# KiCad board Sofle_Pico_Panel.kicad_pcb
date: 2024-01-08; rev: v3.5.4
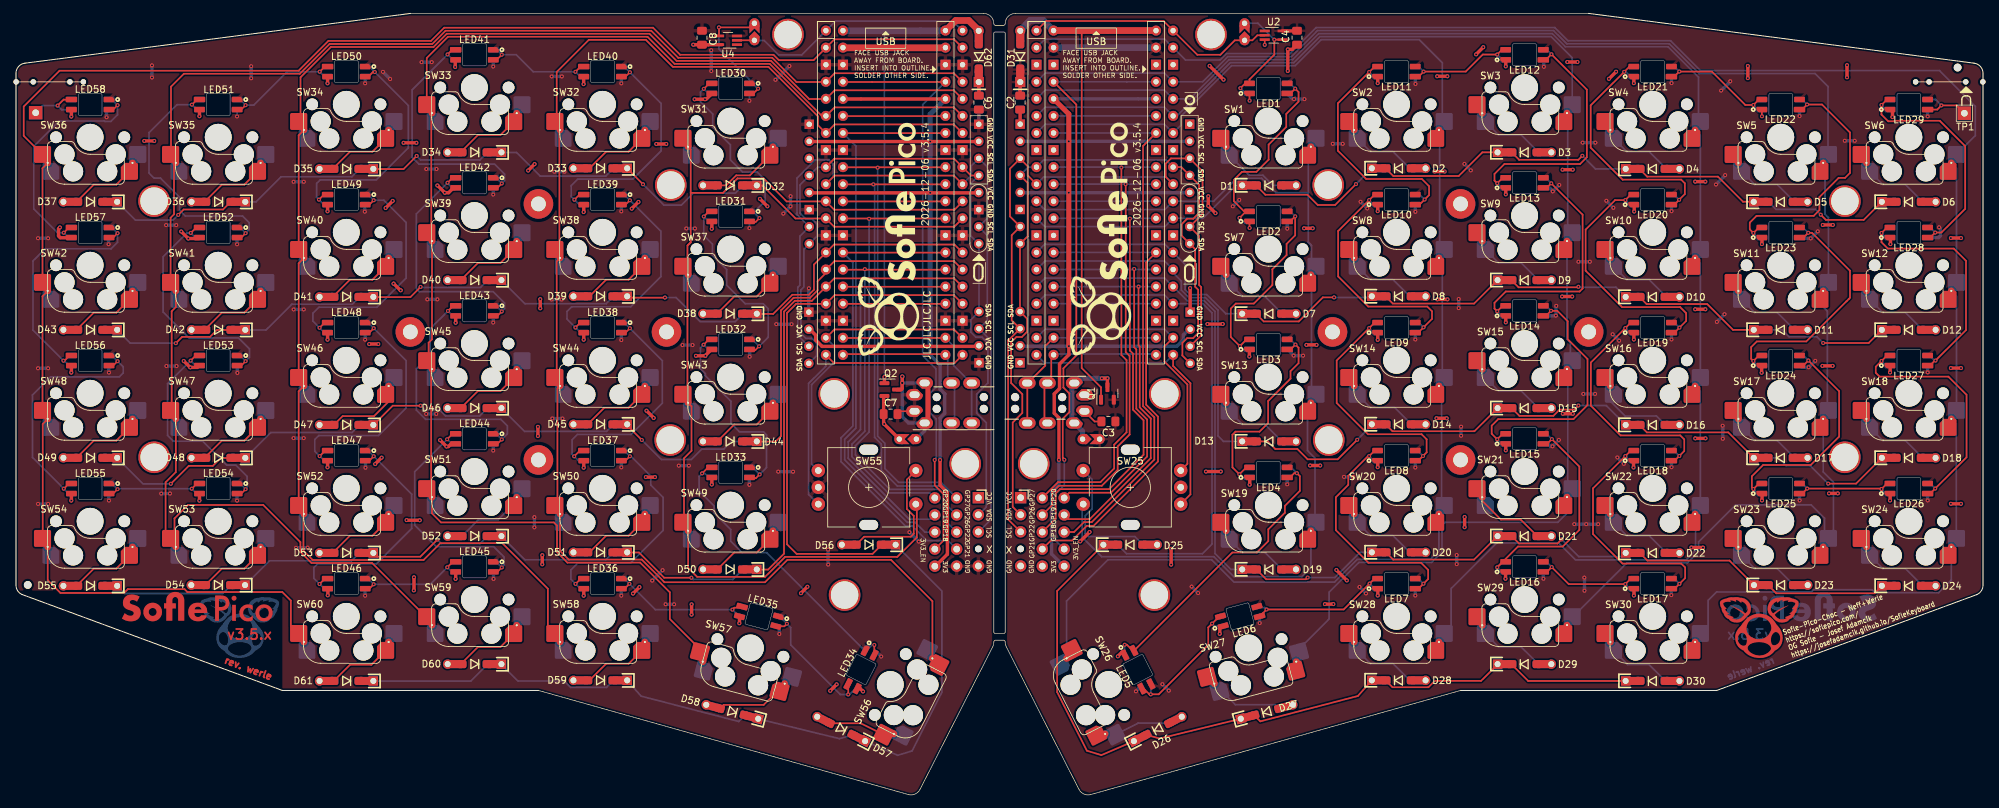
[diagram p0: board, top side]
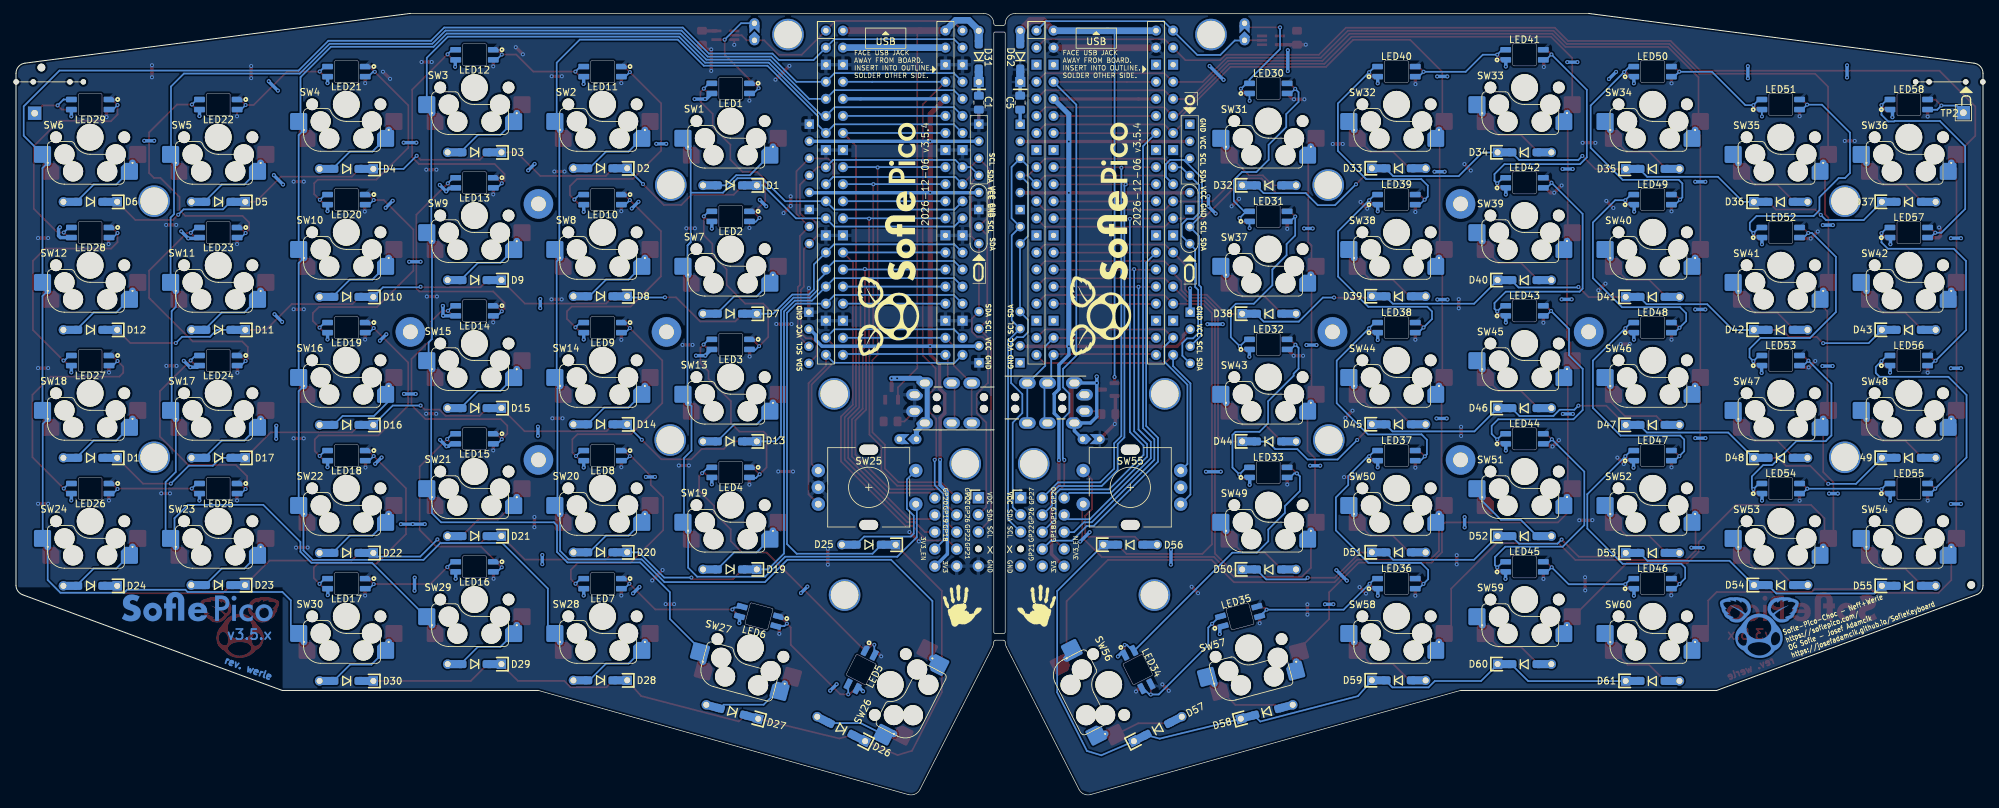
[diagram p1: board, bottom side, seen from below]

Outline 292.54 x 116.25 mm; copper layers: Top, Bottom. Coordinates in mm from the lower left corner of the outline.
Outline path: 145.42,113.35 145.42,24.12 145.57,23.97 146.97,23.97 147.12,24.12 147.12,113.35 147,113.47 145.55,113.47 closed ; 143.92,116.25 58.65,116.25 1.34,108.85 arc(0.38,108.35) 0,107.35 0,31.15 arc(0.25,30.32) 0.91,29.77 39.6,15.5 77.7,15.5 132.71,0 arc(133.72,0.07) 134.45,0.77 145.26,21.98 arc(145.38,22.33) 145.42,22.69 ; 143.92,116.25 arc(144.98,115.81) 145.42,114.75 arc(145.5,114.55) 145.7,114.47 146.85,114.47 arc(147.04,114.55) 147.12,114.75 arc(147.56,115.81) 148.62,116.25 233.89,116.25 291.21,108.85 arc(292.16,108.35) 292.54,107.35 292.54,31.15 arc(292.3,30.32) 291.64,29.77 252.94,15.5 214.84,15.5 159.83,0 arc(158.83,0.07) 158.1,0.77 147.29,21.98 arc(147.16,22.33) 147.12,22.69 ; 145.42,22.7 arc(145.5,22.89) 145.7,22.97 146.85,22.97 arc(147.04,22.89) 147.12,22.7
Stack: Top 0.035mm / dielectric 1.51mm FR4 er 4.5 / Bottom 0.035mm

## Placement (name value [footprint] x y rotation side)
C1  1uF  [C_0805_2012Metric_Pad1.18x1.45mm_HandSolder]  149.34 102.97 270 bottom
C2  0.1uF  [C_0805_2012Metric_Pad1.18x1.45mm_HandSolder]  149.34 102.98 270 top
C3  0.1uF  [C_0805_2012Metric_Pad1.18x1.45mm_HandSolder]  162.47 55.52 180 top
C4  0.1uF  [C_0805_2012Metric_Pad1.18x1.45mm_HandSolder]  190.52 112.63 270 top
C5  1uF  [C_0805_2012Metric_Pad1.18x1.45mm_HandSolder]  143.2 102.97 270 bottom
C6  0.1uF  [C_0805_2012Metric_Pad1.18x1.45mm_HandSolder]  143.2 102.98 270 top
C7  0.1uF  [C_0805_2012Metric_Pad1.18x1.45mm_HandSolder]  130.07 56.62 0 top
C8  0.1uF  [C_0805_2012Metric_Pad1.18x1.45mm_HandSolder]  102.02 112.63 90 top
D1  1N4841W  [D_SOD-123_DO-35_Hybrid_DoubleSided_V2]  186.37 90.66 0 top
D2  1N4841W  [D_SOD-123_DO-35_Hybrid_DoubleSided_V2]  205.64 93.2 0 top
D3  1N4841W  [D_SOD-123_DO-35_Hybrid_DoubleSided_V2]  224.35 95.58 0 top
D4  1N4841W  [D_SOD-123_DO-35_Hybrid_DoubleSided_V2]  243.4 93.11 0 top
D5  1N4841W  [D_SOD-123_DO-35_Hybrid_DoubleSided_V2]  262.45 88.21 0 top
D6  1N4841W  [D_SOD-123_DO-35_Hybrid_DoubleSided_V2]  281.5 88.21 0 top
D7  1N4841W  [D_SOD-123_DO-35_Hybrid_DoubleSided_V2]  186.37 71.56 0 top
D8  1N4841W  [D_SOD-123_DO-35_Hybrid_DoubleSided_V2]  205.64 74.15 0 top
D9  1N4841W  [D_SOD-123_DO-35_Hybrid_DoubleSided_V2]  224.35 76.56 0 top
D10  1N4841W  [D_SOD-123_DO-35_Hybrid_DoubleSided_V2]  243.4 74.06 0 top
D11  1N4841W  [D_SOD-123_DO-35_Hybrid_DoubleSided_V2]  262.45 69.16 0 top
D12  1N4841W  [D_SOD-123_DO-35_Hybrid_DoubleSided_V2]  281.5 69.16 0 top
D13  1N4841W  [D_SOD-123_DO-35_Hybrid_DoubleSided_V2]  186.37 52.56 0 top
D14  1N4841W  [D_SOD-123_DO-35_Hybrid_DoubleSided_V2]  205.64 55.1 0 top
D15  1N4841W  [D_SOD-123_DO-35_Hybrid_DoubleSided_V2]  224.35 57.51 0 top
D16  1N4841W  [D_SOD-123_DO-35_Hybrid_DoubleSided_V2]  243.4 55.01 0 top
D17  1N4841W  [D_SOD-123_DO-35_Hybrid_DoubleSided_V2]  262.45 50.11 0 top
D18  1N4841W  [D_SOD-123_DO-35_Hybrid_DoubleSided_V2]  281.5 50.11 0 top
D19  1N4841W  [D_SOD-123_DO-35_Hybrid_DoubleSided_V2]  186.37 33.51 0 top
D20  1N4841W  [D_SOD-123_DO-35_Hybrid_DoubleSided_V2]  205.64 36.05 0 top
D21  1N4841W  [D_SOD-123_DO-35_Hybrid_DoubleSided_V2]  224.35 38.46 0 top
D22  1N4841W  [D_SOD-123_DO-35_Hybrid_DoubleSided_V2]  243.4 35.96 0 top
D23  1N4841W  [D_SOD-123_DO-35_Hybrid_DoubleSided_V2]  262.48 31.18 0 top
D24  1N4841W  [D_SOD-123_DO-35_Hybrid_DoubleSided_V2]  281.5 31.06 0 top
D25  1N4841W  [D_SOD-123_DO-35_Hybrid_DoubleSided_V2]  165.72 37.18 0 top
D26  1N4841W  [D_SOD-123_DO-35_Hybrid_DoubleSided_V2]  169.82 9.77 27 top
D27  1N4841W  [D_SOD-123_DO-35_Hybrid_DoubleSided_V2]  186.02 12.32 15 top
D28  1N4841W  [D_SOD-123_DO-35_Hybrid_DoubleSided_V2]  205.64 17 0 top
D29  1N4841W  [D_SOD-123_DO-35_Hybrid_DoubleSided_V2]  224.35 19.41 0 top
D30  1N4841W  [D_SOD-123_DO-35_Hybrid_DoubleSided_V2]  243.4 16.91 0 top
D31  MBR120VLSF  [D_SOD-123_DO-41_7.62mm_Hybrid_DoubleSided]  149.36 109.85 90 top
D32  1N4841W  [D_SOD-123_DO-35_Hybrid_DoubleSided_V2]  106.17 90.66 180 top
D33  1N4841W  [D_SOD-123_DO-35_Hybrid_DoubleSided_V2]  86.9 93.2 180 top
D34  1N4841W  [D_SOD-123_DO-35_Hybrid_DoubleSided_V2]  68.2 95.58 180 top
D35  1N4841W  [D_SOD-123_DO-35_Hybrid_DoubleSided_V2]  49.15 93.11 180 top
D36  1N4841W  [D_SOD-123_DO-35_Hybrid_DoubleSided_V2]  30.1 88.21 180 top
D37  1N4841W  [D_SOD-123_DO-35_Hybrid_DoubleSided_V2]  11.05 88.21 180 top
D38  1N4841W  [D_SOD-123_DO-35_Hybrid_DoubleSided_V2]  106.17 71.56 180 top
D39  1N4841W  [D_SOD-123_DO-35_Hybrid_DoubleSided_V2]  86.9 74.15 180 top
D40  1N4841W  [D_SOD-123_DO-35_Hybrid_DoubleSided_V2]  68.2 76.56 180 top
D41  1N4841W  [D_SOD-123_DO-35_Hybrid_DoubleSided_V2]  49.15 74.06 180 top
D42  1N4841W  [D_SOD-123_DO-35_Hybrid_DoubleSided_V2]  30.1 69.16 180 top
D43  1N4841W  [D_SOD-123_DO-35_Hybrid_DoubleSided_V2]  11.05 69.16 180 top
D44  1N4841W  [D_SOD-123_DO-35_Hybrid_DoubleSided_V2]  106.17 52.56 180 top
D45  1N4841W  [D_SOD-123_DO-35_Hybrid_DoubleSided_V2]  86.9 55.1 180 top
D46  1N4841W  [D_SOD-123_DO-35_Hybrid_DoubleSided_V2]  68.2 57.51 180 top
D47  1N4841W  [D_SOD-123_DO-35_Hybrid_DoubleSided_V2]  49.15 55.01 180 top
D48  1N4841W  [D_SOD-123_DO-35_Hybrid_DoubleSided_V2]  30.1 50.11 180 top
D49  1N4841W  [D_SOD-123_DO-35_Hybrid_DoubleSided_V2]  11.05 50.11 180 top
D50  1N4841W  [D_SOD-123_DO-35_Hybrid_DoubleSided_V2]  106.17 33.51 180 top
D51  1N4841W  [D_SOD-123_DO-35_Hybrid_DoubleSided_V2]  86.9 36.05 180 top
D52  1N4841W  [D_SOD-123_DO-35_Hybrid_DoubleSided_V2]  68.2 38.46 180 top
D53  1N4841W  [D_SOD-123_DO-35_Hybrid_DoubleSided_V2]  49.15 35.96 180 top
D54  1N4841W  [D_SOD-123_DO-35_Hybrid_DoubleSided_V2]  30.06 31.18 180 top
D55  1N4841W  [D_SOD-123_DO-35_Hybrid_DoubleSided_V2]  11.05 31.06 180 top
D56  1N4841W  [D_SOD-123_DO-35_Hybrid_DoubleSided_V2]  126.82 37.18 180 top
D57  1N4841W  [D_SOD-123_DO-35_Hybrid_DoubleSided_V2]  122.72 9.77 153 top
D58  1N4841W  [D_SOD-123_DO-35_Hybrid_DoubleSided_V2]  106.52 12.32 165 top
D59  1N4841W  [D_SOD-123_DO-35_Hybrid_DoubleSided_V2]  86.9 17 180 top
D60  1N4841W  [D_SOD-123_DO-35_Hybrid_DoubleSided_V2]  68.2 19.41 180 top
D61  1N4841W  [D_SOD-123_DO-35_Hybrid_DoubleSided_V2]  49.15 16.91 180 top
D62  MBR120VLSF  [D_SOD-123_DO-41_7.62mm_Hybrid_DoubleSided]  143.19 109.85 90 top
G***  LOGO  [RH_Print_Logo]  140.75 27.95 180 bottom
G***#2  LOGO  [LH_Print]  151.79 27.95 180 bottom
H1  MountingHole  [JLC_SMT_TOOLING_HOLE_1.152MM]  1.75 31.2 0 top
H2  MountingHole  [JLC_SMT_TOOLING_HOLE_1.152MM]  288.77 108.2 0 top
J1  Conn_01x05  [Pimaroni_PinHeader_1x05_P2.54mm_Vertical Sofle v3b]  149.41 44.18 180 bottom
J2  4PIN  [MJ-4PP-9]  147.1 57.4 270 bottom
J3  Conn_01x04  [OLED SSD1306 128x64]  161.98 95.97 270 bottom
J4  Conn_01x04  [Cirque tie in]  174.6 68.02 270 top
J5  Conn_01x05  [PinHeader_1x05_P2.54mm_Vertical]  152.64 44.15 180 bottom
J6  Conn_01x05  [PinHeader_1x05_P2.54mm_Vertical]  155.89 44.15 180 bottom
J7  Conn_01x04  [Cirque tie in]  149.36 68.02 90 top
J8  Conn_01x04  [OLED SSD1306 128x64]  130.61 95.95 270 bottom
J9  Conn_01x04  [Cirque tie in]  117.94 68.02 270 bottom
J10  Conn_01x04  [Cirque tie in]  143.19 68.02 90 bottom
J11  Conn_01x05  [PinHeader_1x05_P2.54mm_Vertical]  136.65 44.15 180 bottom
J12  Conn_01x05  [PinHeader_1x05_P2.54mm_Vertical]  139.9 44.15 180 bottom
J13  4PIN  [MJ-4PP-9]  145.43 59.15 90 bottom
J14  Conn_01x05  [Pimaroni_PinHeader_1x05_P2.54mm_Vertical Sofle v3b]  143.13 44.18 180 bottom
JP1  SolderJumper_2_Open  [Level Shifter Bypass Jumper]  159.9 52.9 0 top
JP2  SolderJumper_2_Open  [Level Shifter Bypass Jumper]  182.72 113.52 90 top
JP3  SolderJumper_2_Open  [Level Shifter Bypass Jumper]  132.63 52.9 180 top
JP4  SolderJumper_2_Open  [Level Shifter Bypass Jumper]  109.82 113.52 90 bottom
LED1  SK6803 MINI-E  [SK6803_MINI-E_V2]  186.25 105.09 180 top
LED2  SK6803 MINI-E  [SK6803_MINI-E_V2]  186.25 86.04 180 top
LED3  SK6803 MINI-E  [SK6803_MINI-E_V2]  186.25 66.99 180 top
LED4  SK6803 MINI-E  [SK6803_MINI-E_V2]  186.25 47.94 180 top
LED5  SK6803 MINI-E  [SK6803_MINI-E_V2#2]  166.85 18.6 117 top
LED6  SK6803 MINI-E  [SK6803_MINI-E_V2]  182.04 26.52 195 top
LED7  SK6803 MINI-E  [SK6803_MINI-E_V2]  205.3 31.39 180 top
LED8  SK6803 MINI-E  [SK6803_MINI-E_V2]  205.3 50.44 180 top
LED9  SK6803 MINI-E  [SK6803_MINI-E_V2]  205.3 69.49 180 top
LED10  SK6803 MINI-E  [SK6803_MINI-E_V2]  205.3 88.54 180 top
LED11  SK6803 MINI-E  [SK6803_MINI-E_V2]  205.3 107.59 180 top
LED12  SK6803 MINI-E  [SK6803_MINI-E_V2]  224.35 110.09 180 top
LED13  SK6803 MINI-E  [SK6803_MINI-E_V2]  224.35 91.04 180 top
LED14  SK6803 MINI-E  [SK6803_MINI-E_V2]  224.35 71.99 180 top
LED15  SK6803 MINI-E  [SK6803_MINI-E_V2]  224.35 52.94 180 top
LED16  SK6803 MINI-E  [SK6803_MINI-E_V2]  224.35 33.89 180 top
LED17  SK6803 MINI-E  [SK6803_MINI-E_V2]  243.4 31.39 180 top
LED18  SK6803 MINI-E  [SK6803_MINI-E_V2]  243.4 50.44 180 top
LED19  SK6803 MINI-E  [SK6803_MINI-E_V2]  243.4 69.49 180 top
LED20  SK6803 MINI-E  [SK6803_MINI-E_V2]  243.4 88.54 180 top
LED21  SK6803 MINI-E  [SK6803_MINI-E_V2]  243.4 107.59 180 top
LED22  SK6803 MINI-E  [SK6803_MINI-E_V2]  262.45 102.69 180 top
LED23  SK6803 MINI-E  [SK6803_MINI-E_V2]  262.45 83.64 180 top
LED24  SK6803 MINI-E  [SK6803_MINI-E_V2]  262.45 64.59 180 top
LED25  SK6803 MINI-E  [SK6803_MINI-E_V2]  262.45 45.54 180 top
LED26  SK6803 MINI-E  [SK6803_MINI-E_V2]  281.5 45.54 180 top
LED27  SK6803 MINI-E  [SK6803_MINI-E_V2]  281.5 64.59 180 top
LED28  SK6803 MINI-E  [SK6803_MINI-E_V2]  281.5 83.64 180 top
LED29  SK6803 MINI-E  [SK6803_MINI-E_V2]  281.5 102.69 180 top
LED30  SK6803 MINI-E  [SK6803_MINI-E_V2]  106.29 105.09 0 top
LED31  SK6803 MINI-E  [SK6803_MINI-E_V2]  106.29 86.04 0 top
LED32  SK6803 MINI-E  [SK6803_MINI-E_V2]  106.29 66.99 0 top
LED33  SK6803 MINI-E  [SK6803_MINI-E_V2]  106.29 47.94 0 top
LED34  SK6803 MINI-E  [SK6803_MINI-E_V2#3]  125.7 18.6 63 top
LED35  SK6803 MINI-E  [SK6803_MINI-E_V2]  110.5 26.52 345 top
LED36  SK6803 MINI-E  [SK6803_MINI-E_V2]  87.24 31.39 0 top
LED37  SK6803 MINI-E  [SK6803_MINI-E_V2]  87.24 50.44 0 top
LED38  SK6803 MINI-E  [SK6803_MINI-E_V2]  87.24 69.49 0 top
LED39  SK6803 MINI-E  [SK6803_MINI-E_V2]  87.24 88.54 0 top
LED40  SK6803 MINI-E  [SK6803_MINI-E_V2]  87.24 107.59 0 top
LED41  SK6803 MINI-E  [SK6803_MINI-E_V2]  68.19 110.09 0 top
LED42  SK6803 MINI-E  [SK6803_MINI-E_V2]  68.19 91.04 0 top
LED43  SK6803 MINI-E  [SK6803_MINI-E_V2]  68.19 71.99 0 top
LED44  SK6803 MINI-E  [SK6803_MINI-E_V2]  68.19 52.94 0 top
LED45  SK6803 MINI-E  [SK6803_MINI-E_V2]  68.19 33.89 0 top
LED46  SK6803 MINI-E  [SK6803_MINI-E_V2]  49.14 31.39 0 top
LED47  SK6803 MINI-E  [SK6803_MINI-E_V2]  49.14 50.44 0 top
LED48  SK6803 MINI-E  [SK6803_MINI-E_V2]  49.14 69.49 0 top
LED49  SK6803 MINI-E  [SK6803_MINI-E_V2]  49.14 88.54 0 top
LED50  SK6803 MINI-E  [SK6803_MINI-E_V2]  49.14 107.59 0 top
LED51  SK6803 MINI-E  [SK6803_MINI-E_V2]  30.09 102.69 0 top
LED52  SK6803 MINI-E  [SK6803_MINI-E_V2]  30.09 83.64 0 top
LED53  SK6803 MINI-E  [SK6803_MINI-E_V2]  30.09 64.59 0 top
LED54  SK6803 MINI-E  [SK6803_MINI-E_V2]  30.09 45.54 0 top
LED55  SK6803 MINI-E  [SK6803_MINI-E_V2]  11.04 45.54 0 top
LED56  SK6803 MINI-E  [SK6803_MINI-E_V2]  11.04 64.59 0 top
LED57  SK6803 MINI-E  [SK6803_MINI-E_V2]  11.04 83.64 0 top
LED58  SK6803 MINI-E  [SK6803_MINI-E_V2]  11.04 102.69 0 top
NOREF  -  [e4819d78-7681-430c-a61d-7ce8f9aac4b4]  136.69 107.39 180 top
NOREF#2  -  [e4819d78-7681-430c-a61d-7ce8f9aac4b4]  167.94 107.34 180 top
NOREF#3  -  [e4819d78-7681-430c-a61d-7ce8f9aac4b4]  124.6 107.34 0 bottom
NOREF#4  -  [e4819d78-7681-430c-a61d-7ce8f9aac4b4]  155.85 107.39 0 bottom
Q1  Si2301CDS  [SOT-23]  162.32 59.7 90 top
Q2  Si2301CDS  [SOT-23]  130.1 60.27 0 top
REF**  -  [Sofle Pico logo w text]  129.75 82.63 90 top
REF**#2  -  [Sofle Pico logo w text]  161.3 82.68 90 top
REF**#3  -  [Sofle Pico Logo text only]  26.95 27.97 0 top
REF**#4  Tenting Puck  [Tenting_Puck.kicad_mod_nocenter_v2]  214.84 68.85 0 top
REF**#5  -  [sofle diode jig]  292.52 106.06 0 top
REF**#6  -  [Sofle Pico Logo copper]  259.27 24.86 0 top
REF**#7  Tenting Puck  [Tenting_Puck.kicad_mod_nocenter_v2]  77.7 68.85 180 bottom
REF**#8  -  [Sofle Pico Logo copper]  33.27 24.86 180 bottom
REF**#9  -  [Sofle Pico logo w text]  162.79 82.63 90 bottom
REF**#10  -  [sofle diode jig]  0.02 106.06 180 bottom
REF**#11  -  [Sofle Pico logo w text]  131.24 82.68 90 bottom
REF**#12  -  [Sofle Pico Logo text only]  265.59 27.97 180 bottom
SW1  SW_PUSH  [Cherry_MX_DS_Hotswap_v3.5.4]  186.27 100.22 180 top
SW2  SW_PUSH  [Cherry_MX_DS_Hotswap_v3.5.4]  205.32 102.72 180 top
SW3  SW_PUSH  [Cherry_MX_DS_Hotswap_v3.5.4]  224.37 105.22 180 top
SW4  SW_PUSH  [Cherry_MX_DS_Hotswap_v3.5.4]  243.42 102.72 180 top
SW5  SW_PUSH  [Cherry_MX_DS_Hotswap_v3.5.4]  262.47 97.82 180 top
SW6  SW_PUSH  [Cherry_MX_DS_Hotswap_v3.5.4]  281.52 97.82 180 top
SW7  SW_PUSH  [Cherry_MX_DS_Hotswap_v3.5.4]  186.27 81.17 180 top
SW8  SW_PUSH  [Cherry_MX_DS_Hotswap_v3.5.4]  205.32 83.67 180 top
SW9  SW_PUSH  [Cherry_MX_DS_Hotswap_v3.5.4]  224.37 86.17 180 top
SW10  SW_PUSH  [Cherry_MX_DS_Hotswap_v3.5.4]  243.42 83.67 180 top
SW11  SW_PUSH  [Cherry_MX_DS_Hotswap_v3.5.4]  262.47 78.77 180 top
SW12  SW_PUSH  [Cherry_MX_DS_Hotswap_v3.5.4]  281.52 78.77 180 top
SW13  SW_PUSH  [Cherry_MX_DS_Hotswap_v3.5.4]  186.27 62.12 180 top
SW14  SW_PUSH  [Cherry_MX_DS_Hotswap_v3.5.4]  205.32 64.62 180 top
SW15  SW_PUSH  [Cherry_MX_DS_Hotswap_v3.5.4]  224.37 67.12 180 top
SW16  SW_PUSH  [Cherry_MX_DS_Hotswap_v3.5.4]  243.42 64.62 180 top
SW17  SW_PUSH  [Cherry_MX_DS_Hotswap_v3.5.4]  262.47 59.72 180 top
SW18  SW_PUSH  [Cherry_MX_DS_Hotswap_v3.5.4]  281.52 59.72 180 top
SW19  SW_PUSH  [Cherry_MX_DS_Hotswap_v3.5.4]  186.27 43.07 180 top
SW20  SW_PUSH  [Cherry_MX_DS_Hotswap_v3.5.4]  205.32 45.57 180 top
SW21  SW_PUSH  [Cherry_MX_DS_Hotswap_v3.5.4]  224.37 48.07 180 top
SW22  SW_PUSH  [Cherry_MX_DS_Hotswap_v3.5.4]  243.42 45.57 180 top
SW23  SW_PUSH  [Cherry_MX_DS_Hotswap_v3.5.4]  262.47 40.67 180 top
SW24  SW_PUSH  [Cherry_MX_DS_Hotswap_v3.5.4]  281.52 40.67 180 top
SW25  Rotary_Encoder_Switch-Device  [RotaryEncoder_Alps_EC11E-Switch_Vertical_H20mm-keebio_modified]  165.72 45.72 180 bottom
SW26  SW_PUSH  [Cherry_MX_DS_Hotswap_v3.5.4]  162.52 16.38 117 top
SW27  SW_PUSH  [Cherry_MX_DS_Hotswap_v3.5.4]  183.32 21.82 195 top
SW28  SW_PUSH  [Cherry_MX_DS_Hotswap_v3.5.4]  205.32 26.52 180 top
SW29  SW_PUSH  [Cherry_MX_DS_Hotswap_v3.5.4]  224.37 29.02 180 top
SW30  SW_PUSH  [Cherry_MX_DS_Hotswap_v3.5.4]  243.42 26.52 180 top
SW31  SW_PUSH  [Cherry_MX_DS_Hotswap_v3.5.4]  106.27 100.22 0 bottom
SW32  SW_PUSH  [Cherry_MX_DS_Hotswap_v3.5.4]  87.22 102.72 0 bottom
SW33  SW_PUSH  [Cherry_MX_DS_Hotswap_v3.5.4]  68.17 105.22 0 bottom
SW34  SW_PUSH  [Cherry_MX_DS_Hotswap_v3.5.4]  49.12 102.72 0 bottom
SW35  SW_PUSH  [Cherry_MX_DS_Hotswap_v3.5.4]  30.07 97.82 0 bottom
SW36  SW_PUSH  [Cherry_MX_DS_Hotswap_v3.5.4]  11.02 97.82 0 bottom
SW37  SW_PUSH  [Cherry_MX_DS_Hotswap_v3.5.4]  106.27 81.17 0 bottom
SW38  SW_PUSH  [Cherry_MX_DS_Hotswap_v3.5.4]  87.22 83.67 0 bottom
SW39  SW_PUSH  [Cherry_MX_DS_Hotswap_v3.5.4]  68.17 86.17 0 bottom
SW40  SW_PUSH  [Cherry_MX_DS_Hotswap_v3.5.4]  49.12 83.67 0 bottom
SW41  SW_PUSH  [Cherry_MX_DS_Hotswap_v3.5.4]  30.07 78.77 0 bottom
SW42  SW_PUSH  [Cherry_MX_DS_Hotswap_v3.5.4]  11.02 78.77 0 bottom
SW43  SW_PUSH  [Cherry_MX_DS_Hotswap_v3.5.4]  106.27 62.12 0 bottom
SW44  SW_PUSH  [Cherry_MX_DS_Hotswap_v3.5.4]  87.22 64.62 0 bottom
SW45  SW_PUSH  [Cherry_MX_DS_Hotswap_v3.5.4]  68.17 67.12 0 bottom
SW46  SW_PUSH  [Cherry_MX_DS_Hotswap_v3.5.4]  49.12 64.62 0 bottom
SW47  SW_PUSH  [Cherry_MX_DS_Hotswap_v3.5.4]  30.07 59.72 0 bottom
SW48  SW_PUSH  [Cherry_MX_DS_Hotswap_v3.5.4]  11.02 59.72 0 bottom
SW49  SW_PUSH  [Cherry_MX_DS_Hotswap_v3.5.4]  106.27 43.07 0 bottom
SW50  SW_PUSH  [Cherry_MX_DS_Hotswap_v3.5.4]  87.22 45.57 0 bottom
SW51  SW_PUSH  [Cherry_MX_DS_Hotswap_v3.5.4]  68.17 48.07 0 bottom
SW52  SW_PUSH  [Cherry_MX_DS_Hotswap_v3.5.4]  49.12 45.57 0 bottom
SW53  SW_PUSH  [Cherry_MX_DS_Hotswap_v3.5.4]  30.07 40.67 0 bottom
SW54  SW_PUSH  [Cherry_MX_DS_Hotswap_v3.5.4]  11.02 40.67 0 bottom
SW55  Rotary_Encoder_Switch-Device  [RotaryEncoder_Alps_EC11E-Switch_Vertical_H20mm-keebio_modified]  126.82 45.72 0 top
SW56  SW_PUSH  [Cherry_MX_DS_Hotswap_v3.5.4]  130.03 16.38 63 bottom
SW57  SW_PUSH  [Cherry_MX_DS_Hotswap_v3.5.4]  109.22 21.82 345 bottom
SW58  SW_PUSH  [Cherry_MX_DS_Hotswap_v3.5.4]  87.22 26.52 0 bottom
SW59  SW_PUSH  [Cherry_MX_DS_Hotswap_v3.5.4]  68.17 29.02 0 bottom
SW60  SW_PUSH  [Cherry_MX_DS_Hotswap_v3.5.4]  49.12 26.52 0 bottom
TH1  HOLE  [Hole from sofle for M2 posts gold rimmer wide-keyplate-hole]  151.37 49.22 0 top
TH2  HOLE  [Hole from sofle for M2 posts gold rimmer wide-keyplate-hole]  170.86 59.63 0 top
TH3  HOLE  [Hole from sofle for M2 posts gold rimmer]  195.16 90.71 0 top
TH4  HOLE  [Hole from sofle for M2 posts gold rimmer]  272.01 88.31 0 top
TH5  HOLE  [Hole from sofle for M2 posts gold rimmer]  195.25 52.76 0 top
TH6  HOLE  [Hole from sofle for M2 posts gold rimmer]  271.99 50.2 0 top
TH7  HOLE  [Hole from sofle for M2 posts gold rimmer wide-keyplate-hole]  177.73 113.1 0 top
TH8  HOLE  [Hole from sofle for M2 posts gold rimmer]  169.31 29.69 0 top
TH9  HOLE  [Hole from sofle for M2 posts gold rimmer wide-keyplate-hole]  141.18 49.22 180 bottom
TH10  HOLE  [Hole from sofle for M2 posts gold rimmer wide-keyplate-hole]  121.68 59.63 180 bottom
TH11  HOLE  [Hole from sofle for M2 posts gold rimmer wide-keyplate-hole]  114.81 113.1 180 bottom
TH12  HOLE  [Hole from sofle for M2 posts gold rimmer]  20.53 88.31 180 bottom
TH13  HOLE  [Hole from sofle for M2 posts gold rimmer]  97.29 52.76 180 bottom
TH14  HOLE  [Hole from sofle for M2 posts gold rimmer]  20.55 50.2 180 bottom
TH15  HOLE  [Hole from sofle for M2 posts gold rimmer]  97.38 90.71 180 bottom
TH16  HOLE  [Hole from sofle for M2 posts gold rimmer]  123.23 29.69 180 bottom
TP1  TestPoint  [TestPoint_THTPad_2.0x2.0mm_Drill1.0mm]  289.77 101.4 0 top
TP2  TestPoint  [TestPoint_THTPad_2.0x2.0mm_Drill1.0mm]  2.92 101.47 180 bottom
U1  Pico  [RPi_Pico_SMD_TH_DS]  161.93 89.57 180 bottom
U2  74LVC1G34SE-7  [SOT-353_SC-70-5_Handsoldering]  187.05 113 0 top
U3  Pico  [RPi_Pico_SMD_TH_DS]  130.61 89.57 180 bottom
U4  74LVC1G34SE-7  [SOT-353_SC-70-5_Handsoldering]  105.9 112.25 180 top

## Library data of the parts
C1 C5 = -: Description: Unpolarized capacitor;  LCSC part number: C49678; Dielectric: X7R; JLCPCB_PN: C28323; MFG: Samsung; MFG PN: CL21B105KBFNNNE; Tolerance (%): 10; Voltage Rating: 50V
C2-C4 C6-C8 = -: Description: Unpolarized capacitor;  LCSC part number: C81598; Dielectric: X7R; JLCPCB_PN: C49678; MFG: YAGEO; MFG PN: CC0805KRX7R9BB104; Tolerance (%): 10; Voltage Rating: 50V
D1-D30 D32-D61 = -:  LCSC part number: C94111; JLCPCB_PN: C81598; MFG: Semtech; MFG PN: 1N4148W; Voltage Rating: 75v
D31 D62 = -: Description: 20V 1A Schottky Barrier Rectifier Diode, DO-41; MFG PN: MBR120VLSF; TH_Val: 1N5817
H1 H2 TH1-TH16 = -: Description: Mounting Hole without connection
J1 J5 J6 J11 J12 J14 = -: Description: Generic connector, single row, 01x05, script generated (kicad-library-utils/schlib/autogen/connector/)
J3 J4 J7-J10 = -: Description: Generic connector, single row, 01x04, script generated (kicad-library-utils/schlib/autogen/connector/)
JP1-JP4 = -: Description: Solder Jumper, 2-pole, open
Q1 Q2 = -: Description: SOT-23 P-MOSFET enchancement mode transistor, 20V, 4.2A, 1.4W, Alternate KiCAD Library;  LCSC part number: C28323; JLCPCB_PN: C10487; MFG: VISHAY; Sim.Device: SUBCKT; Sim.Library: C:\Users\ext.peter.werle\Documents\custom_keyboards\Datasheets\MOSFET\JLCPCB parts\si2301cds_ps Rev B.txt; Sim.Pins: 1=D 2=G 3=S
TP1 TP2 = -: Description: test point
U1 U3 = -:  LCSC part number: C10487
U2 U4 = -: Description: Single Buffef Gate, Low-Voltage CMOS; JLCPCB_PN: C94111; MFG: Diodes Inc / TI

## Footprints (pads in the part's own frame, mm; a bottom-side part is the same pattern mirrored in y, then rotated)
C_0805_2012Metric_Pad1.18x1.45mm_HandSolder
  rrect 1.175x1.45 smd: 1(-1.038,0) 2(1.038,0)
Cherry_MX_DS_Hotswap_v3.5.4
  round 1.75 hole 1.75 unplated: (-5.08,0) (5.08,0)
  round 3 hole 3 unplated: (-3.81,2.54) (-2.54,5.08) (2.54,5.08) (3.81,2.54)
  round 3.988 hole 3.988 unplated: (0,0)
  rrect 2.55x2.52 smd far side: 1(-7.085,2.55) 2(5.842,5.07)
  round 1 hole 0.3: 1(-6.31,3.81) 2(6.3,3.82)
  rrect 2.5x2.52 smd: 1(-5.842,5.07)
  rrect 2.55x2.53 smd: 2(7.085,2.555)
Cirque tie in
  round 1.397 hole 0.813: 1(3.85,0.03) 2(1.31,0.03) 3(-1.23,0.03)
  rect 1.397x1.397 hole 0.813: 4(-3.77,0.03)
D_SOD-123_DO-35_Hybrid_DoubleSided_V2
  rect 1.4x1.4 hole 0.9: 1(-4,0)
  rect 1.6x1.2 smd far side: 1(-2.75,0)
  rect 1.6x1.2 smd: 1(-2.7,0)
  rrect 1.5x1.2 smd: 1(-1.95,0)
  rrect 1.4x1.2 smd far side: 1(-1.9,0) 2(1.9,0)
  rrect 1.4x1.2 smd: 2(1.9,0)
  rect 2.12x1.2 smd: 2(2.96,0)
  rect 2.14x1.2 smd far side: 2(2.97,0)
  round 1.4 hole 0.9: 2(4,0)
D_SOD-123_DO-41_7.62mm_Hybrid_DoubleSided
  rect 1.5x1.5 hole 0.9: 1(-3.81,0)
  rect 1.2x1.2 smd far side: 1(-2.76,0.001) 2(2.8,0)
  rect 1.2x1.2 smd: 1(-2.55,0) 2(2.8,0)
  rrect 1.5x1.2 smd: 1(-1.95,0)
  rrect 1.5x1.2 smd far side: 1(-1.95,0)
  rrect 1.4x1.2 smd: 2(1.9,0)
  rrect 1.4x1.2 smd far side: 2(1.9,0)
  oval 1.5x1.5 hole 0.9: 2(3.81,0)
Hole from sofle for M2 posts gold rimmer
  round 4.7 hole 4.1: (0,0)
Hole from sofle for M2 posts gold rimmer wide-keyplate-hole
  round 4.7 hole 4.1: (0,0)
JLC_SMT_TOOLING_HOLE_1.152MM
  round 1.152 hole 1.152 unplated: (0,0)
Level Shifter Bypass Jumper
  rrect 1.5x1.5 hole 0.8: 1(-1.27,0) 2(1.27,0)
  custom 1x1.5 smd: 1(-0.42,0)
  custom 1x1.5 smd far side: 1(-0.42,0)
  custom 1.25x1.5 smd: 2(0.75,0)
  custom 1.25x1.5 smd far side: 2(0.75,0)
MJ-4PP-9
  round 1.2 hole 1.2 unplated: (-1.75,-8.5) (-1.75,-1.5) (0,-8.5) (0,-1.5)
  rrect 1.7x2.5 hole 1x1.5: 1(-2.1,-11.8) 1(0.35,-11.8) 2(-3.85,-10.3) 2(2.1,-10.3)
  oval 1.7x2.5 hole 1x1.5: 3(-3.85,-6.3) 3(2.1,-6.3) 4(-3.85,-3.3) 4(2.1,-3.3)